# Altium PCB Motor_Driver_3_Phase.PcbDoc (part 2 of 3)
Units mm, origin at the board's own origin, x right, y up, seen from the top; angles counter-clockwise.
Board outline 164.5 x 248.75 mm, 4 copper layers (Top Layer, mid1, mid2, Bottom Layer), stack 0.604 mm thick; 448 components, 306 nets, 1071 pads, 1519 vias.
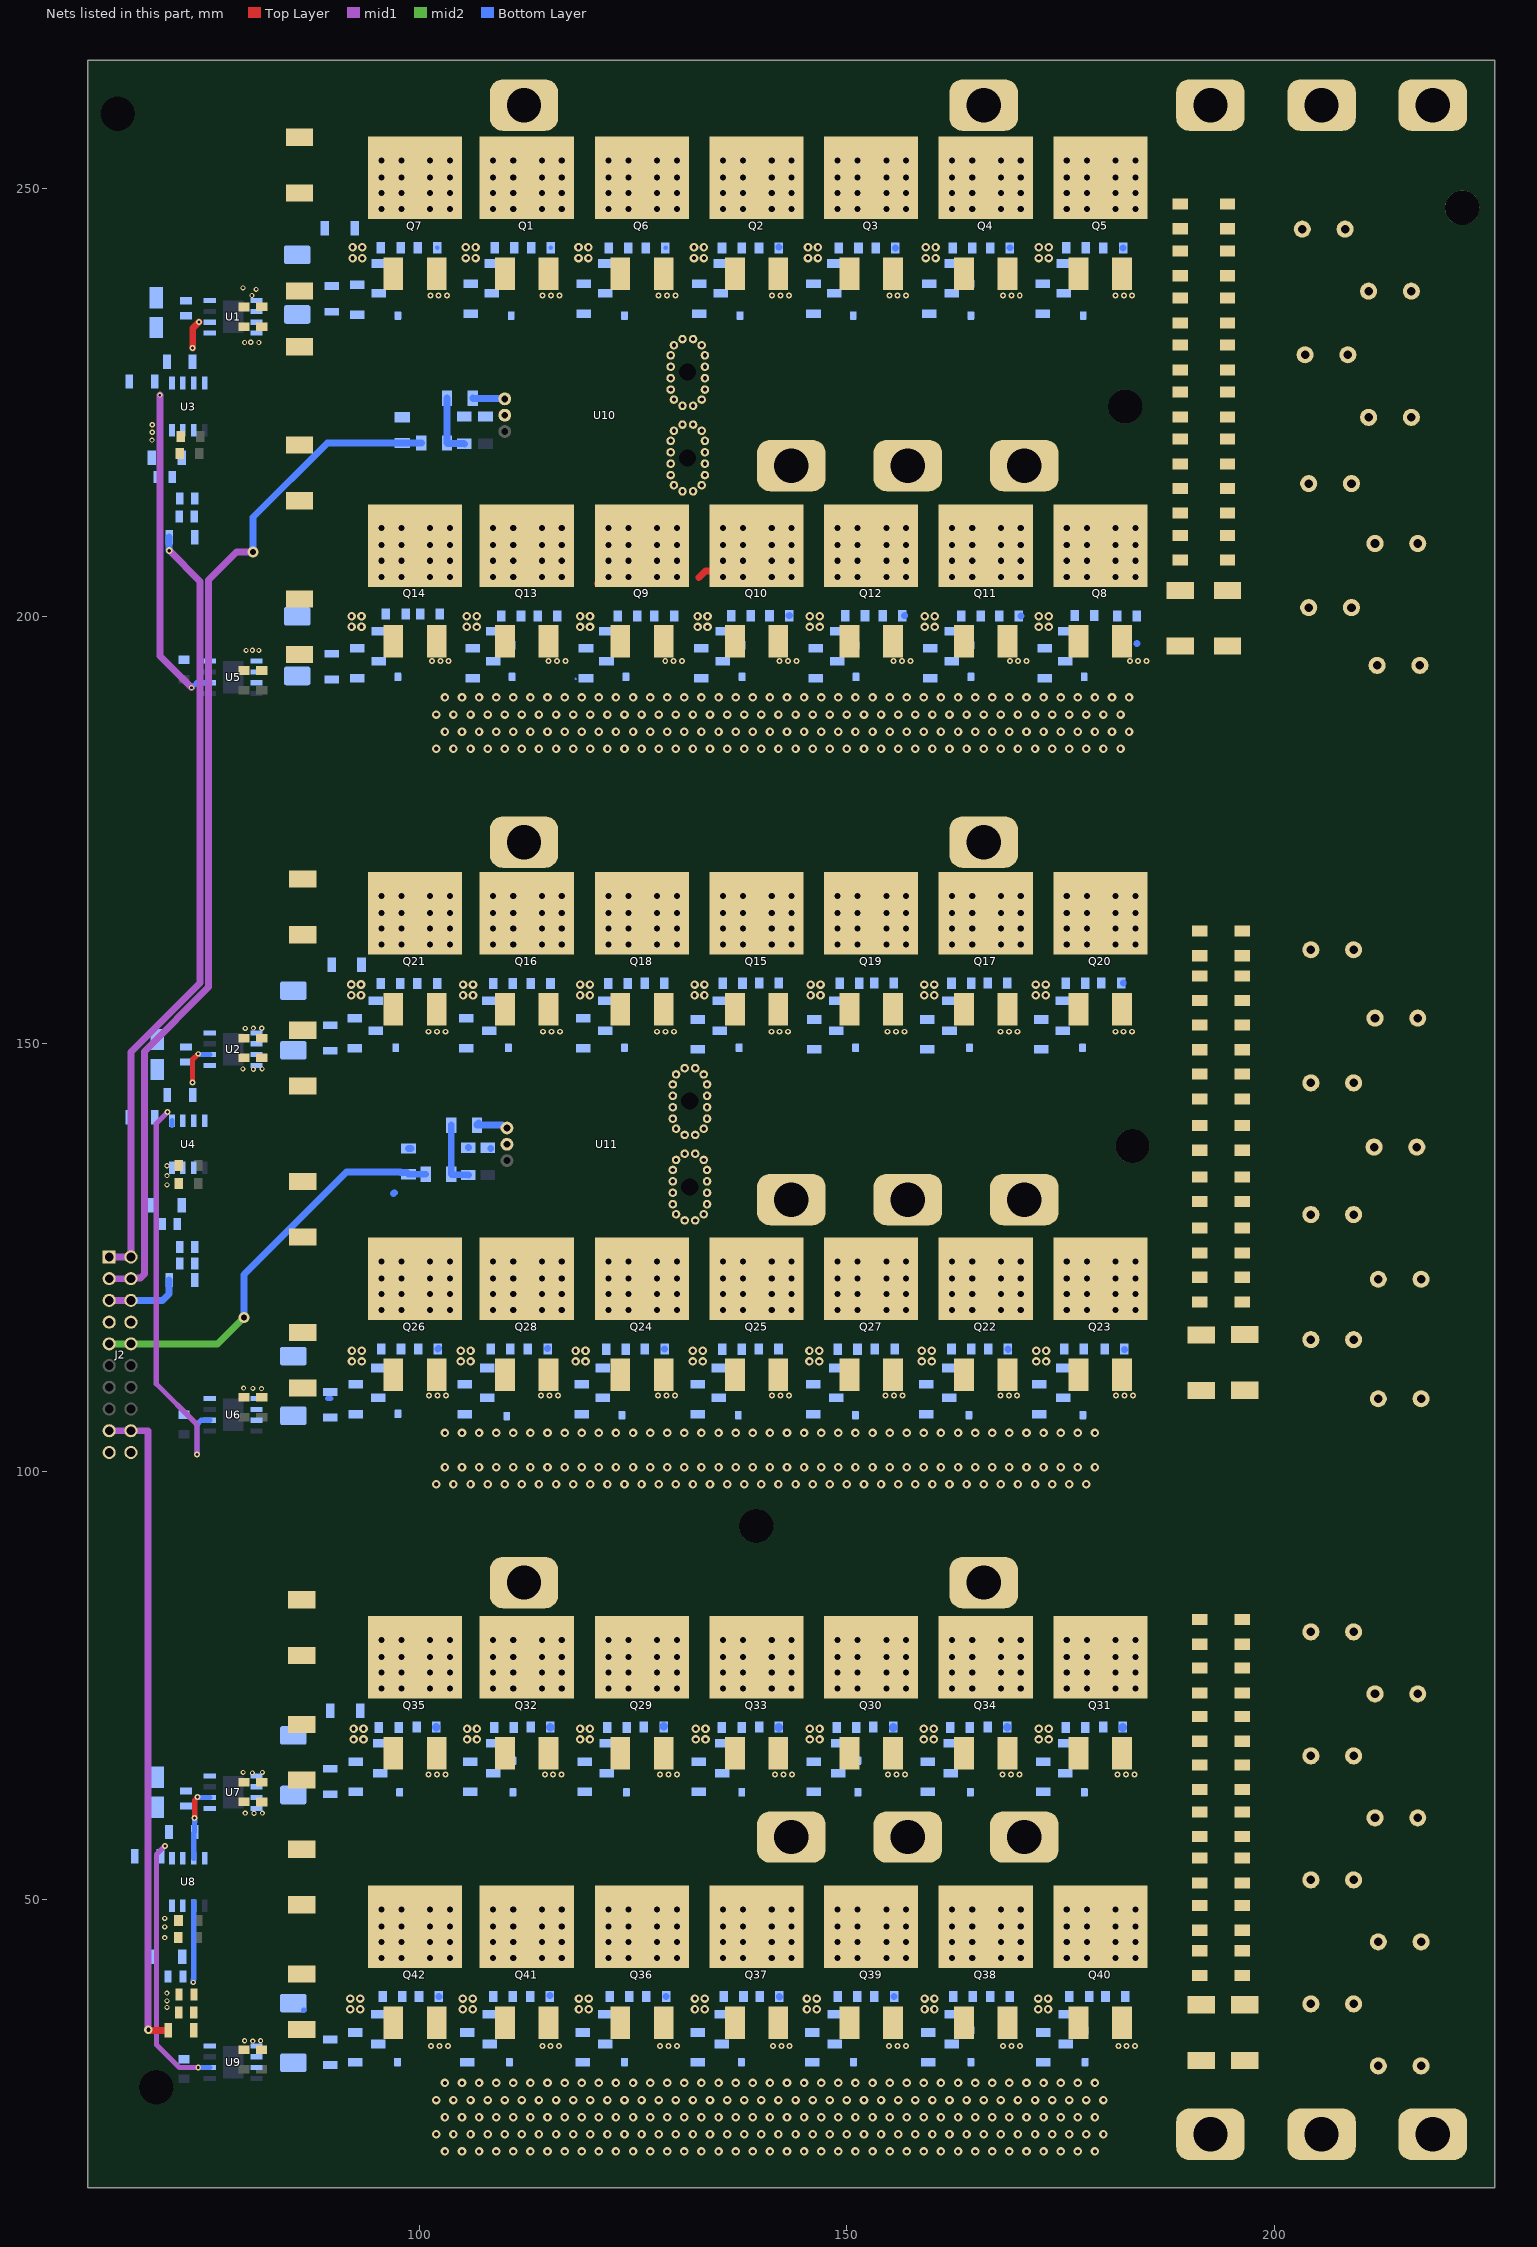
[diagram p4: the nets of this part, all layers, seen from the top]

## Via types
v1: diameter 1.27, hole 0.711, Top Layer to Bottom Layer, 682 vias
v2: diameter 1, hole 0.5, Top Layer to Bottom Layer, 506 vias
v3: diameter 1/1/1/1 (per signal layer), hole 0.5, Top Layer to Bottom Layer, 140 vias
v4: diameter 0.7/0.7/0.7/0.7 (per signal layer), hole 0.35, Top Layer to Bottom Layer, 114 vias
v5: diameter 0.6, hole 0.3, Top Layer to Bottom Layer, 54 vias
v6: diameter 0.7, hole 0.35, Top Layer to Bottom Layer, 21 vias
v7: diameter 0.8, hole 0.4, Top Layer to Bottom Layer, 1 vias
v8: diameter 1/0.7/0.7/0.7 (per signal layer), hole 0.5, Top Layer to Bottom Layer, 1 vias

## Nets (pads, with @x,y where several pads share a name; then routed paths per layer and width w, separated by ;. In a path a pad name is that pad's centre, name@x,y a point inside that pad or via, vN(x,y) a via of type N, cw(c..) or ccw(c..) an arc to the next point about the centre after c; other vN are vias at no path point) (continued)
+48V: C1.2 C2.2 C18.2 C19.2 C31.1 C32.1 C35.2 C36.2 C40.1 C41.1 C48.1 C49.1 C52.1 C53.1 C54.1 C55.1 C56.1 C57.1 C58.1 C59.1 C60.1 C61.1 C62.1 C63.1 C64.1 C65.1 C66.1 C67.1 C68.1 C69.1 Q1.3 Q2.3 Q3.3 Q4.3 Q5.3 Q6.3 Q7.3 Q15.3 Q16.3 Q17.3 Q18.3 Q19.3 Q20.3 Q21.3 Q29.3 Q30.3 Q31.3 Q32.3 Q33.3 Q34.3 Q35.3 R114.2 R118.2 R122.2 T10.1 T11.1 T12.1 T16.1 T17.1 T18.1 T19.1 T20.1 T21.1
  other v1: 95.575,74.6 97.925,74.6 101.275,74.6 103.6,74.6 108.643,74.6 110.993,74.6 114.343,74.6 116.668,74.6 122.119,74.6 124.469,74.6 127.819,74.6 130.144,74.6 135.515,74.6 137.865,74.6 141.215,74.6 143.54,74.6 148.912,74.6 151.262,74.6 154.612,74.6 156.937,74.6 162.309,74.6 164.659,74.6 168.009,74.6 170.334,74.6 175.706,74.6 178.056,74.6 181.406,74.6 183.731,74.6 95.575,76.475 97.925,76.475 101.275,76.475 103.6,76.475 108.643,76.475 110.993,76.475 114.343,76.475 116.668,76.475 122.119,76.475 124.469,76.475 127.819,76.475 130.144,76.475 135.515,76.475 137.865,76.475 141.215,76.475 143.54,76.475 148.912,76.475 151.262,76.475 154.612,76.475 156.937,76.475 162.309,76.475 164.659,76.475 168.009,76.475 170.334,76.475 175.706,76.475 178.056,76.475 181.406,76.475 183.731,76.475 95.575,78.3 97.925,78.3 101.275,78.3 103.6,78.3 108.643,78.3 110.993,78.3 114.343,78.3 116.668,78.3 122.119,78.3 124.469,78.3 127.819,78.3 130.144,78.3 135.515,78.3 137.865,78.3 141.215,78.3 143.54,78.3 148.912,78.3 151.262,78.3 154.612,78.3 156.937,78.3 162.309,78.3 164.659,78.3 168.009,78.3 170.334,78.3 175.706,78.3 178.056,78.3 181.406,78.3 183.731,78.3 95.575,80.3 97.925,80.3 101.275,80.3 103.6,80.3 108.643,80.3 110.993,80.3 114.343,80.3 116.668,80.3 122.119,80.3 124.469,80.3 127.819,80.3 130.144,80.3 135.515,80.3 137.865,80.3 141.215,80.3 143.54,80.3 148.912,80.3 151.262,80.3 154.612,80.3 156.937,80.3 162.309,80.3 164.659,80.3 168.009,80.3 170.334,80.3 175.706,80.3 178.056,80.3 181.406,80.3 183.731,80.3 95.575,161.6 97.925,161.6 101.275,161.6 103.6,161.6 108.643,161.6 110.993,161.6 114.343,161.6 116.668,161.6 122.119,161.6 124.469,161.6 127.819,161.6 130.144,161.6 135.515,161.6 137.865,161.6 141.215,161.6 143.54,161.6 148.912,161.6 151.262,161.6 154.612,161.6 156.937,161.6 162.309,161.6 164.659,161.6 168.009,161.6 170.334,161.6 175.706,161.6 178.056,161.6 181.406,161.6 183.731,161.6 95.575,163.475 97.925,163.475 101.275,163.475 103.6,163.475 108.643,163.475 110.993,163.475 114.343,163.475 116.668,163.475 122.119,163.475 124.469,163.475 127.819,163.475 130.144,163.475 135.515,163.475 137.865,163.475 141.215,163.475 143.54,163.475 148.912,163.475 151.262,163.475 154.612,163.475 156.937,163.475 162.309,163.475 164.659,163.475 168.009,163.475 170.334,163.475 175.706,163.475 178.056,163.475 181.406,163.475 183.731,163.475 95.575,165.3 97.925,165.3 101.275,165.3 103.6,165.3 108.643,165.3 110.993,165.3 114.343,165.3 116.668,165.3 122.119,165.3 124.469,165.3 127.819,165.3 130.144,165.3 135.515,165.3 137.865,165.3 141.215,165.3 143.54,165.3 148.912,165.3 151.262,165.3 154.612,165.3 156.937,165.3 162.309,165.3 164.659,165.3 168.009,165.3 170.334,165.3 175.706,165.3 178.056,165.3 181.406,165.3 183.731,165.3 95.575,167.3 97.925,167.3 101.275,167.3 103.6,167.3 108.643,167.3 110.993,167.3 114.343,167.3 116.668,167.3 122.119,167.3 124.469,167.3 127.819,167.3 130.144,167.3 135.515,167.3 137.865,167.3 141.215,167.3 143.54,167.3 148.912,167.3 151.262,167.3 154.612,167.3 156.937,167.3 162.309,167.3 164.659,167.3 168.009,167.3 170.334,167.3 175.706,167.3 178.056,167.3 181.406,167.3 183.731,167.3 95.575,247.6 97.925,247.6 101.275,247.6 103.6,247.6 108.643,247.6 110.993,247.6 114.343,247.6 116.668,247.6 122.119,247.6 124.469,247.6 127.819,247.6 130.144,247.6 135.515,247.6 137.865,247.6 141.215,247.6 143.54,247.6 148.912,247.6 151.262,247.6 154.612,247.6 156.937,247.6 162.309,247.6 164.659,247.6 168.009,247.6 170.334,247.6 175.706,247.6 178.056,247.6 181.406,247.6 183.731,247.6 95.575,249.475 97.925,249.475 101.275,249.475 103.6,249.475 108.643,249.475 110.993,249.475 114.343,249.475 116.668,249.475 122.119,249.475 124.469,249.475 127.819,249.475 130.144,249.475 135.515,249.475 137.865,249.475 141.215,249.475 143.54,249.475 148.912,249.475 151.262,249.475 154.612,249.475 156.937,249.475 162.309,249.475 164.659,249.475 168.009,249.475 170.334,249.475 175.706,249.475 178.056,249.475 181.406,249.475 183.731,249.475 95.575,251.3 97.925,251.3 101.275,251.3 103.6,251.3 108.643,251.3 110.993,251.3 114.343,251.3 116.668,251.3 122.119,251.3 124.469,251.3 127.819,251.3 130.144,251.3 135.515,251.3 137.865,251.3 141.215,251.3 143.54,251.3 148.912,251.3 151.262,251.3 154.612,251.3 156.937,251.3 162.309,251.3 164.659,251.3 168.009,251.3 170.334,251.3 175.706,251.3 178.056,251.3 181.406,251.3 183.731,251.3 95.575,253.3 97.925,253.3 101.275,253.3 103.6,253.3 108.643,253.3 110.993,253.3 114.343,253.3 116.668,253.3 122.119,253.3 124.469,253.3 127.819,253.3 130.144,253.3 135.515,253.3 137.865,253.3 141.215,253.3 143.54,253.3 148.912,253.3 151.262,253.3 154.612,253.3 156.937,253.3 162.309,253.3 164.659,253.3 168.009,253.3 170.334,253.3 175.706,253.3 178.056,253.3 181.406,253.3 183.731,253.3
A: C72.1 C73.1 C74.1 C93.1 C94.1 C95.1 C96.1 pad.1@131.373,228.546 Q1.2 Q2.2 Q3.2 Q4.2 Q5.2 Q6.2 Q7.2 R133.2 U10.4 | length 0.2
  Bottom Layer w0.5: C72.1@102.122,243.109 C72.1@102.138,243.093 ; C73.1@115.372,243.08 C73.1@115.373,243.081 ; C74.1@128.786,243.055 C74.1@128.812,243.081
  Bottom Layer w0.8: C93.1@142.026,243.162 C93.1@142.06,243.128 ; C94.1@155.651,243.055 C94.1@155.668,243.037 ; C95.1@169.053,243.08 C95.1@169.056,243.083 ; C96.1@182.289,243.055 C96.1@182.31,243.075
  other v4: 101.298,237.499 102.28,237.499 103.262,237.499 114.426,237.499 115.408,237.499 116.389,237.499 128.002,237.499 128.984,237.499 129.966,237.499 141.251,237.499 142.233,237.499 143.215,237.499 154.967,237.499 155.948,237.499 156.93,237.499 168.25,237.499 169.232,237.499 170.214,237.499 181.401,237.499 182.383,237.499 183.365,237.499
A1: pad.1@131.372,218.493 Q8.3 Q9.3 Q10.3 Q11.3 Q12.3 Q13.3 Q14.3 T1.1 T2.1 T3.1 U10.5 | length 3.1
  Top Layer w0.8: Q9.3@120.829,203.829 121.344,203.829 v1(122.119,204.604) ; 132.69,204.525 133.465,205.3 133.865,205.3
  other v1: 95.575,204.604 97.925,204.604 101.275,204.604 103.6,204.604 108.643,204.604 110.993,204.604 114.343,204.604 116.668,204.604 124.469,204.604 127.819,204.604 130.144,204.604 135.515,204.604 137.865,204.604 141.215,204.604 143.54,204.604 148.912,204.604 151.262,204.604 154.612,204.604 156.937,204.604 162.309,204.604 164.659,204.604 168.009,204.604 170.334,204.604 175.706,204.604 178.056,204.604 181.406,204.604 183.731,204.604 95.575,206.479 97.925,206.479 101.275,206.479 103.6,206.479 108.643,206.479 110.993,206.479 114.343,206.479 116.668,206.479 122.119,206.479 124.469,206.479 127.819,206.479 130.144,206.479 135.515,206.479 137.865,206.479 141.215,206.479 143.54,206.479 148.912,206.479 151.262,206.479 154.612,206.479 156.937,206.479 162.309,206.479 164.659,206.479 168.009,206.479 170.334,206.479 175.706,206.479 178.056,206.479 181.406,206.479 183.731,206.479 95.575,208.304 97.925,208.304 101.275,208.304 103.6,208.304 108.643,208.304 110.993,208.304 114.343,208.304 116.668,208.304 122.119,208.304 124.469,208.304 127.819,208.304 130.144,208.304 135.515,208.304 137.865,208.304 141.215,208.304 143.54,208.304 148.912,208.304 151.262,208.304 154.612,208.304 156.937,208.304 162.309,208.304 164.659,208.304 168.009,208.304 170.334,208.304 175.706,208.304 178.056,208.304 181.406,208.304 183.731,208.304 95.575,210.304 97.925,210.304 101.275,210.304 103.6,210.304 108.643,210.304 110.993,210.304 114.343,210.304 116.668,210.304 122.119,210.304 124.469,210.304 127.819,210.304 130.144,210.304 135.515,210.304 137.865,210.304 141.215,210.304 143.54,210.304 148.912,210.304 151.262,210.304 154.612,210.304 156.937,210.304 162.309,210.304 164.659,210.304 168.009,210.304 170.334,210.304 175.706,210.304 178.056,210.304 181.406,210.304 183.731,210.304
ADC_A0: J2.03 J2.04 R126.2 R127.1 | length 122.5
  mid1 w0.8: J2.03@63.75,122.54 J2.04@66.29,122.54 66.362,122.612 67.397,122.612 67.866,123.08 67.866,149.116 75.374,156.624 75.374,204.25 78.615,207.491 v1(80.567,207.491)
  Bottom Layer w0.8: v1(80.567,207.491) 80.567,211.567 89.25,220.25 R127.1@98,220.25 R126.2@100.25,220.25
ADC_A1: J2.09 J2.10 R128.2 R129.1 | length 48.3
  mid2 w0.8: J2.09@63.75,114.92 76.42,114.92 v1(79.5,118)
  Bottom Layer w0.8: v1(79.5,118) 79.5,123 91.5,135 97.781,135 97.831,134.95 98.55,134.95 R129.1@98.75,134.75 R128.2@100.75,134.75
ADC_A2: 
ADC_A3: 
ADC_A4: 
ADC_A5: 
ADC_A6: 
ADC_A7: 
ADC_B0: 
ADC_B1: 
ADC_B2: 
ADC_B3: 
ADC_B4: 
ADC_B5: 
ADC_B6: 
ADC_B7: 
B1: pad.1@131.63,133.252 Q22.3 Q23.3 Q24.3 Q25.3 Q26.3 Q27.3 Q28.3 T4.1 T5.1 T6.1 U11.5 | length 6.1
  Top Layer w0.8: Q23.3@177.75,125.004 Q23.3@181.5,121.254
  Top Layer w1: Q24.3@121.719,118.854 v1(122.119,118.854) ; Q25.3@135.115,118.854 v1(135.515,118.854)
  other v1: 95.575,118.854 97.925,118.854 101.275,118.854 103.6,118.854 108.643,118.854 110.993,118.854 114.343,118.854 116.668,118.854 124.469,118.854 127.819,118.854 130.144,118.854 137.865,118.854 141.215,118.854 143.54,118.854 148.912,118.854 151.262,118.854 154.612,118.854 156.937,118.854 162.309,118.854 164.659,118.854 168.009,118.854 170.334,118.854 175.706,118.854 178.056,118.854 181.406,118.854 183.731,118.854 95.575,120.729 97.925,120.729 101.275,120.729 103.6,120.729 108.643,120.729 110.993,120.729 114.343,120.729 116.668,120.729 122.119,120.729 124.469,120.729 127.819,120.729 130.144,120.729 135.515,120.729 137.865,120.729 141.215,120.729 143.54,120.729 148.912,120.729 151.262,120.729 154.612,120.729 156.937,120.729 162.309,120.729 164.659,120.729 168.009,120.729 170.334,120.729 175.706,120.729 178.056,120.729 181.406,120.729 183.731,120.729 95.575,122.554 97.925,122.554 101.275,122.554 103.6,122.554 108.643,122.554 110.993,122.554 114.343,122.554 116.668,122.554 122.119,122.554 124.469,122.554 127.819,122.554 130.144,122.554 135.515,122.554 137.865,122.554 141.215,122.554 143.54,122.554 148.912,122.554 151.262,122.554 154.612,122.554 156.937,122.554 162.309,122.554 164.659,122.554 168.009,122.554 170.334,122.554 175.706,122.554 178.056,122.554 181.406,122.554 183.731,122.554 95.575,124.554 97.925,124.554 101.275,124.554 103.6,124.554 108.643,124.554 110.993,124.554 114.343,124.554 116.668,124.554 122.119,124.554 124.469,124.554 127.819,124.554 130.144,124.554 135.515,124.554 137.865,124.554 141.215,124.554 143.54,124.554 148.912,124.554 151.262,124.554 154.612,124.554 156.937,124.554 162.309,124.554 164.659,124.554 168.009,124.554 170.334,124.554 175.706,124.554 178.056,124.554 181.406,124.554 183.731,124.554
CANH: 
CANL: 
EQEP1B: C104.1 C105.1 C106.1 C107.1 C108.1 C109.1 C110.1 pad.1@131.628,143.292 Q15.2 Q16.2 Q17.2 Q18.2 Q19.2 Q20.2 Q21.2 R134.2 U11.4 | length 0
  Bottom Layer w0.8: C109.1@182.307,157.082 C109.1@182.317,157.092
  other v4: 101.11,151.412 102.092,151.412 103.074,151.412 114.467,151.412 115.449,151.412 116.431,151.412 127.809,151.412 128.791,151.412 129.772,151.412 141.166,151.412 142.147,151.412 143.129,151.412 154.771,151.412 155.753,151.412 156.735,151.412 167.961,151.412 168.942,151.412 169.924,151.412 181.391,151.412 182.373,151.412 183.354,151.412
EQEP1I: 
GND: C31.2 C32.2 C40.2 C41.2 C48.2 C49.2 C52.2 C53.2 C54.2 C55.2 C56.2 C57.2 C58.2 C59.2 C60.2 C61.2 C62.2 C63.2 C64.2 C65.2 C66.2 C67.2 C68.2 C69.2 C70.1 C71.1 C89.1 C90.1 C97.1 C98.1 C99.1 C100.1 C101.1 C102.1 C103.1 C111.1 C112.1 C113.1 C114.1 C115.1 C116.1 C117.1 C125.1 C126.1 C127.1 C128.1 C129.1 C130.1 C131.1 C134.1 C135.1 C136.2 C137.2 C139.1 C140.2 C141.2 C142.2 C151.1 C152.1 C153.2 C154.2 C155.1 C156.1 C157.2 C158.2 C161.1 C162.1 C163.2 C164.1 C165.2 D51.1 D53.1 D55.1 J2.07 J2.08 J2.19 J2.20 pad.2@221.946,247.764 Q8.2 Q9.2 Q10.2 Q11.2 Q12.2 Q13.2 Q14.2 Q22.2 Q23.2 Q24.2 Q25.2 Q26.2 Q27.2 Q28.2 Q36.2 Q37.2 Q38.2 Q39.2 Q40.2 Q41.2 Q42.2 R22.1 R30.1 R31.1 R53.1 R61.1 R62.1 R84.1 R92.1 R93.1 R110.1 R111.1 R113.1 R117.1 R121.1 R125.1 R127.2 R129.2 R147.1 R148.1 R149.1 R150.1 R153.1 R154.1 T13.1 T14.1 T15.1 U3.4 U4.4 U5.4 U5.5 U6.4 U6.5 U8.4 U9.4 U9.5 U10.2 U11.2 | length 2.1
  Top Layer w0.8: Q14.2@102.04,197.054 Q14.2@102.344,196.75 ; Q12.2@155.377,197.054 Q12.2@155.432,197 ; Q11.2@168.774,197.054 Q11.2@168.828,197
  Bottom Layer w0.6: D55.1@86.5,37 D55.1@86.545,37.045 ; 89.276,108.525 89.701,108.525
  Bottom Layer w0.8: 97,132.5 97.09,132.59 ; R129.2@98.75,137.75 R129.2@99.05,137.75 ; C115.1@102.17,114.314 C115.1@102.257,114.401 ; C129.1@102.275,38.602 C129.1@102.292,38.586 ; C71.1@105.735,137.865 C71.1@105.75,137.85 C71.1@105.763,137.863 ; C142.2@108.357,137.761 C142.2@108.369,137.773 ; U11.2@110.235,138.235 U11.2@110.25,138.25 ; C116.1@115.009,114.389 C116.1@115.026,114.406 ; C130.1@115.258,38.705 C130.1@115.273,38.72 ; C125.1@128.866,38.627 C125.1@128.88,38.641 ; C126.1@142.098,38.602 C126.1@142.132,38.568 ; C98.1@143.253,200.057 C98.1@143.276,200.08 ; C131.1@155.517,38.627 C131.1@155.52,38.624 ; C103.1@156.75,200.057 C103.1@156.773,200.08 ; C113.1@168.829,114.314 C113.1@168.874,114.269 ; C99.1@170.346,200.02 C99.1@170.358,200.032 ; C114.1@182.443,114.266 C114.1@182.488,114.221 ; 183.891,196.782 183.914,196.805
  other v2: 103,20.5 105,20.5 107,20.5 109,20.5 111,20.5 113,20.5 115,20.5 117,20.5 119,20.5 121,20.5 123,20.5 125,20.5 127,20.5 129,20.5 131,20.5 133,20.5 135,20.5 137,20.5 139,20.5 141,20.5 143,20.5 145,20.5 147,20.5 149,20.5 151,20.5 153,20.5 155,20.5 157,20.5 159,20.5 161,20.5 163,20.5 165,20.5 167,20.5 169,20.5 171,20.5 173,20.5 175,20.5 177,20.5 179,20.5 102,22.5 104,22.5 106,22.5 108,22.5 110,22.5 112,22.5 114,22.5 116,22.5 118,22.5 120,22.5 122,22.5 124,22.5 126,22.5 128,22.5 130,22.5 132,22.5 134,22.5 136,22.5 138,22.5 140,22.5 142,22.5 144,22.5 146,22.5 148,22.5 150,22.5 152,22.5 154,22.5 156,22.5 158,22.5 160,22.5 162,22.5 164,22.5 166,22.5 168,22.5 170,22.5 172,22.5 174,22.5 176,22.5 178,22.5 180,22.5 103,24.5 105,24.5 107,24.5 109,24.5 111,24.5 113,24.5 115,24.5 117,24.5 119,24.5 121,24.5 123,24.5 125,24.5 127,24.5 129,24.5 131,24.5 133,24.5 135,24.5 137,24.5 139,24.5 141,24.5 143,24.5 145,24.5 147,24.5 149,24.5 151,24.5 153,24.5 155,24.5 157,24.5 159,24.5 161,24.5 163,24.5 165,24.5 167,24.5 169,24.5 171,24.5 173,24.5 175,24.5 177,24.5 179,24.5 102,26.5 104,26.5 106,26.5 108,26.5 110,26.5 112,26.5 114,26.5 116,26.5 118,26.5 120,26.5 122,26.5 124,26.5 126,26.5 128,26.5 130,26.5 132,26.5 134,26.5 136,26.5 138,26.5 140,26.5 142,26.5 144,26.5 146,26.5 148,26.5 150,26.5 152,26.5 154,26.5 156,26.5 158,26.5 160,26.5 162,26.5 164,26.5 166,26.5 168,26.5 170,26.5 172,26.5 174,26.5 176,26.5 178,26.5 180,26.5 103,28.5 105,28.5 107,28.5 109,28.5 111,28.5 113,28.5 115,28.5 117,28.5 119,28.5 121,28.5 123,28.5 125,28.5 127,28.5 129,28.5 131,28.5 133,28.5 135,28.5 137,28.5 139,28.5 141,28.5 143,28.5 145,28.5 147,28.5 149,28.5 151,28.5 153,28.5 155,28.5 157,28.5 159,28.5 161,28.5 163,28.5 165,28.5 167,28.5 169,28.5 171,28.5 173,28.5 175,28.5 177,28.5 179,28.5 102,98.5 104,98.5 106,98.5 108,98.5 110,98.5 112,98.5 114,98.5 116,98.5 118,98.5 120,98.5 122,98.5 124,98.5 126,98.5 128,98.5 130,98.5 132,98.5 134,98.5 136,98.5 138,98.5 140,98.5 142,98.5 144,98.5 146,98.5 148,98.5 150,98.5 152,98.5 154,98.5 156,98.5 158,98.5 160,98.5 162,98.5 164,98.5 166,98.5 168,98.5 170,98.5 172,98.5 174,98.5 176,98.5 178,98.5 103,100.5 105,100.5 107,100.5 109,100.5 111,100.5 113,100.5 115,100.5 117,100.5 119,100.5 121,100.5 123,100.5 125,100.5 127,100.5 129,100.5 131,100.5 133,100.5 135,100.5 137,100.5 139,100.5 141,100.5 143,100.5 145,100.5 147,100.5 149,100.5 151,100.5 153,100.5 155,100.5 157,100.5 159,100.5 161,100.5 163,100.5 165,100.5 167,100.5 169,100.5 171,100.5 173,100.5 175,100.5 177,100.5 179,100.5 103,104.5 105,104.5 107,104.5 109,104.5 111,104.5 113,104.5 115,104.5 117,104.5 119,104.5 121,104.5 123,104.5 125,104.5 127,104.5 129,104.5 131,104.5 133,104.5 135,104.5 137,104.5 139,104.5 141,104.5 143,104.5 145,104.5 147,104.5 149,104.5 151,104.5 153,104.5 155,104.5 157,104.5 159,104.5 161,104.5 163,104.5 165,104.5 167,104.5 169,104.5 171,104.5 173,104.5 175,104.5 177,104.5 179,104.5 102,184.5 104,184.5 106,184.5 108,184.5 110,184.5 112,184.5 114,184.5 116,184.5 118,184.5 120,184.5 122,184.5 124,184.5 126,184.5 128,184.5 130,184.5 132,184.5 134,184.5 136,184.5 138,184.5 140,184.5 142,184.5 144,184.5 146,184.5 148,184.5 150,184.5 152,184.5 154,184.5 156,184.5 158,184.5 160,184.5 162,184.5 164,184.5 166,184.5 168,184.5 170,184.5 172,184.5 174,184.5 176,184.5 178,184.5 180,184.5 182,184.5 103,186.5 105,186.5 107,186.5 109,186.5 111,186.5 113,186.5 115,186.5 117,186.5 119,186.5 121,186.5 123,186.5 125,186.5 127,186.5 129,186.5 131,186.5 133,186.5 135,186.5 137,186.5 139,186.5 141,186.5 143,186.5 145,186.5 147,186.5 149,186.5 151,186.5 153,186.5 155,186.5 157,186.5 159,186.5 161,186.5 163,186.5 165,186.5 167,186.5 169,186.5 171,186.5 173,186.5 175,186.5 177,186.5 179,186.5 181,186.5 183,186.5 102,188.5 104,188.5 106,188.5 108,188.5 110,188.5 112,188.5 114,188.5 116,188.5 118,188.5 120,188.5 122,188.5 124,188.5 126,188.5 128,188.5 130,188.5 132,188.5 134,188.5 136,188.5 138,188.5 140,188.5 142,188.5 144,188.5 146,188.5 148,188.5 150,188.5 152,188.5 154,188.5 156,188.5 158,188.5 160,188.5 162,188.5 164,188.5 166,188.5 168,188.5 170,188.5 172,188.5 174,188.5 176,188.5 178,188.5 180,188.5 182,188.5 103,190.5 105,190.5 107,190.5 109,190.5 111,190.5 113,190.5 115,190.5 117,190.5 119,190.5 121,190.5 123,190.5 125,190.5 127,190.5 129,190.5 131,190.5 133,190.5 135,190.5 137,190.5 139,190.5 141,190.5 143,190.5 145,190.5 147,190.5 149,190.5 151,190.5 153,190.5 155,190.5 157,190.5 159,190.5 161,190.5 163,190.5 165,190.5 167,190.5 169,190.5 171,190.5 173,190.5 175,190.5 177,190.5 179,190.5 181,190.5 183,190.5
  other v4: 101.374,32.837 102.356,32.837 103.338,32.837 114.386,32.837 115.368,32.837 116.35,32.837 128.147,32.837 129.129,32.837 130.111,32.837 141.35,32.837 142.332,32.837 143.314,32.837 154.923,32.837 155.904,32.837 156.886,32.837 168.251,32.837 169.233,32.837 170.215,32.837 181.739,32.837 182.721,32.837 183.703,32.837 101.168,108.888 102.15,108.888 103.132,108.888 114.257,108.888 115.239,108.888 116.221,108.888 127.92,108.888 128.902,108.888 129.883,108.888 141.261,108.888 142.243,108.888 143.225,108.888 154.514,108.888 155.496,108.888 156.478,108.888 167.951,108.888 168.933,108.888 169.915,108.888 181.495,108.888 182.476,108.888 183.458,108.888
  other v5: 80.538,33.397 81.454,33.439 79.585,33.443 70.506,37.335 70.506,38.102 70.5,39 70.25,45.5 70.25,46.75 70.25,47.75 81.555,109.688 80.543,109.707 79.46,109.738 70.51,133.5 70.51,134.59 70.51,135.75 79.75,196 81.25,196 80.486,196.016 68.754,220.583 68.777,221.5 68.777,222.385
  other v6: 101.484,194.744 102.465,194.744 103.447,194.744 115.125,194.744 116.107,194.744 117.089,194.744 128.765,194.744 129.747,194.744 130.729,194.744 142.145,194.744 143.127,194.744 144.109,194.744 155.468,194.744 156.45,194.744 157.431,194.744 169.049,194.744 170.031,194.744 171.013,194.744 183.082,194.744 184.063,194.744 185.045,194.744
GPIO_00: J2.01 J2.02 R146.2 | length 91.5
  mid1 w0.8: J2.01@63.75,125.08 J2.02@66.29,125.08 66.29,149.04 74.374,157.124 74.374,204.052 v7@70.773,207.652
  Bottom Layer w0.8: R146.2@70.755,209.25 70.755,207.682 v7(70.775,207.663)
GPIO_01: 
GPIO_02: J2.05 J2.06 R143.2 | length 9
  mid1 w0.8: J2.05@63.75,120 J2.06@66.29,120
  Bottom Layer w0.8: J2.06@66.29,120 70,120 70.755,120.755 R143.2@70.755,122.39
GPIO_03: 
GPIO_04: J2.17 J2.18 R151.2 | length 76.9
  Top Layer w0.8: v8(68.34,34.707) 68.396,34.651 R151.2@70.632,34.651
  mid1 w0.8: J2.17@63.75,104.76 J2.18@66.29,104.76 68.295,104.76 68.295,34.752 v8(68.34,34.707)
GPIO_05: 
GPIO_06: 
GPIO_07: 
GPIO_08: 
GPIO_09: 
GPIO_10: 
GPIO_11: 
GPIO_12: 
GPIO_13: 
GPIO_14: 
GPIO_15: 
GPIO_16: 
GPIO_17: 
GPIO_18: 
GPIO_19: 
GPIO_20: 
GPIO_21: 
GPIO_22: 
GPIO_23: 
GPIO_24: 
GPIO_25: 
GPIO_26: 
GPIO_27: 
GPIO_30: 
GPIO_31: 
GPIO_32: 
GPIO_33: 
GPIO_34: 
GPIO_40: 
GPIO_41: 
GPIO_42: 
GPIO_43: 
GPIO_44: 
GPIO_50: 
GPIO_51: 
GPIO_54: 
GPIO_55: 
GPIO_56: 
GPIO_57: 
GPIO_58: 
NetC1_1: C1.1 C3.2
NetC2_1: C2.1 C4.2
NetC3_1: C3.1 C6.2
NetC4_1: C4.1 C7.2
NetC6_1: C6.1 C10.2
NetC7_1: C7.1 C11.2
NetC8_1: C8.1 C14.2 C26.1 C132.2 U1.1 U1.8 U3.8
  other v5: 79.59,232 81.25,232 80.304,232.028
NetC8_2: C8.2 C14.1 C26.2 C132.1 D49.1 R96.1 R133.1 R144.1 U1.4 U1.5 U3.6
  other v5: 80.437,237.492 80.923,238.203 79.397,238.387
NetC9_1: C9.1 C15.2 C88.1 C133.2 U2.1 U2.8 U4.8
  other v5: 80.618,147.029 79.388,147.077 81.622,147.065
NetC9_2: C9.2 C15.1 C88.2 C133.1 D52.1 R97.1 R134.1 R145.1 U2.4 U2.5 U4.6
  other v5: 79.664,151.812 81.593,151.826 80.601,151.838
NetC10_1: C10.1 C12.2
NetC11_1: C11.1 C13.2
NetC12_1: C12.1 C16.2
NetC13_1: C13.1 C17.2
NetC16_1: C16.1 C75.2
NetC17_1: C17.1 C76.2
NetC18_1: C18.1 C20.2
NetC19_1: C19.1 C21.2
NetC20_1: C20.1 C24.2
NetC21_1: C21.1 C25.2
NetC23_1: C23.1 C138.2 C159.2 C160.1 U7.1 U7.8 U8.8
  other v5: 80.681,60.031 79.664,60.062 81.664,60.062
NetC23_2: C23.2 C138.1 C159.1 C160.2 D54.1 R112.1 R135.1 R152.1 U7.4 U7.5 U8.6
  other v5: 80.5,64.75 79.414,64.812 81.664,64.812
NetC24_1: C24.1 C27.2
NetC25_1: C25.1 C28.2
NetC27_1: C27.1 C29.2
NetC28_1: C28.1 C30.2
NetC29_1: C29.1 C33.2
NetC30_1: C30.1 C34.2
NetC33_1: C33.1 C79.2
NetC34_1: C34.1 C80.2
NetC35_1: C35.1 C37.2
NetC36_1: C36.1 C38.2
NetC37_1: C37.1 C42.2
NetC38_1: C38.1 C43.2
NetC42_1: C42.1 C44.2
NetC43_1: C43.1 C45.2
NetC44_1: C44.1 C46.2
NetC45_1: C45.1 C47.2
NetC46_1: C46.1 C50.2
NetC47_1: C47.1 C51.2
NetC50_1: C50.1 C83.2
NetC51_1: C51.1 C84.2
NetC70_2: C70.2 R94.2 R126.1 | length 7.3
  Bottom Layer w0.8: R94.2@103.25,225.5 R126.1@103.25,220.25 103.3,220.2 105.225,220.2 C70.2@105.275,220.15
NetC71_2: C71.2 R95.2 R128.1 | length 7.8
  Bottom Layer w0.8: R95.2@103.75,140.5 R128.1@103.75,134.75 103.8,134.7 105.7,134.7 C71.2@105.75,134.65
NetC72_2: C72.2 R14.1
NetC73_2: C73.2 R3.1
NetC74_2: C74.2 R5.1
NetC75_1: C75.1 C77.2
NetC76_1: C76.1 C78.2
NetC77_1: C77.1 R30.2
NetC78_1: C78.1 R31.2
NetC79_1: C79.1 C81.2
NetC80_1: C80.1 C82.2
NetC81_1: C81.1 R61.2
NetC82_1: C82.1 R62.2
NetC83_1: C83.1 C85.2
NetC84_1: C84.1 C86.2
NetC85_1: C85.1 R92.2
NetC86_1: C86.1 R93.2
NetC89_2: C89.2 R143.1 R147.2 U4.2
NetC90_2: C90.2 R146.1 R148.2 U3.2
NetC93_2: C93.2 R7.1
NetC94_2: C94.2 R9.1
NetC95_2: C95.2 R11.1
NetC96_2: C96.2 R13.1
NetC97_2: C97.2 R23.1
NetC98_2: C98.2 R24.1
NetC99_2: C99.2 R25.1
NetC100_2: C100.2 R26.1
NetC101_2: C101.2 R27.1
NetC102_2: C102.2 R28.1
NetC103_2: C103.2 R29.1
NetC104_2: C104.2 R34.1
NetC105_2: C105.2 R36.1
NetC106_2: C106.2 R38.1
NetC107_2: C107.2 R40.1
NetC108_2: C108.2 R42.1
NetC109_2: C109.2 R44.1
NetC110_2: C110.2 R45.1
NetC111_2: C111.2 R54.1
NetC112_2: C112.2 R55.1
NetC113_2: C113.2 R56.1
NetC114_2: C114.2 R57.1
NetC115_2: C115.2 R58.1
NetC116_2: C116.2 R59.1
NetC117_2: C117.2 R60.1
NetC118_2: C118.2 R65.1
NetC119_2: C119.2 R67.1
NetC120_2: C120.2 R69.1
NetC121_2: C121.2 R71.1
NetC122_2: C122.2 R73.1
NetC123_2: C123.2 R75.1
NetC124_2: C124.2 R76.1
NetC125_2: C125.2 R85.1
NetC126_2: C126.2 R86.1
NetC127_2: C127.2 R87.1
NetC128_2: C128.2 R88.1
NetC129_2: C129.2 R89.1
NetC130_2: C130.2 R90.1
NetC131_2: C131.2 R91.1
NetC143_1: 
NetC144_1: 
NetC146_P: 
NetC153_1: C153.1 R53.2 U4.3
NetC154_1: C154.1 R22.2 U3.3
NetC161_2: C161.2 R151.1 R153.2 U8.2 | length 9.5
  Bottom Layer w0.6: 73.635,40.623 U8.2@73.635,49.235 U8.2@73.635,49.735
  Bottom Layer w0.635: v5(73.57,40.267) 73.57,40.558 73.635,40.623
NetC163_1: C163.1 R84.2 U8.3
NetD1_1: D1.1 R161.1
NetD1_2: D1.2 D2.2 D3.2 D4.2 D5.2 D6.2 D7.2 D49.2 R1.1 R2.1 R4.1 R6.1 R8.1 R10.1 R12.1 R96.2 U1.6 U1.7
NetD2_1: D2.1 R155.1
NetD3_1: D3.1 R156.1
NetD4_1: D4.1 R157.1
NetD5_1: D5.1 R158.1
NetD6_1: D6.1 R159.1
NetD7_1: D7.1 R160.1
NetD8_1: D8.1 R164.1
NetD8_2: D8.2 D9.2 D10.2 D11.2 D12.2 D13.2 D14.2 D51.2 R15.1 R16.1 R17.1 R18.1 R19.1 R20.1 R21.1 R110.2 U5.6 U5.7 | length 0
  Bottom Layer w0.254: 118.285,192.677 118.312,192.651
NetD9_1: D9.1 R165.1
NetD10_1: D10.1 R168.1
NetD11_1: D11.1 R163.1
NetD12_1: D12.1 R162.1
NetD13_1: D13.1 R166.1
NetD14_1: D14.1 R167.1
NetD15_1: D15.1 R175.1
NetD15_2: D15.2 D16.2 D17.2 D18.2 D19.2 D20.2 D21.2 D52.2 R32.1 R33.1 R35.1 R37.1 R39.1 R41.1 R43.1 R97.2 U2.6 U2.7
NetD16_1: D16.1 R169.1
NetD17_1: D17.1 R170.1
NetD18_1: D18.1 R171.1
NetD19_1: D19.1 R172.1
NetD20_1: D20.1 R173.1
NetD21_1: D21.1 R174.1
NetD22_1: D22.1 R179.2
NetD22_2: D22.2 D23.2 D24.2 D25.2 D26.2 D27.2 D28.2 D53.2 R46.1 R47.1 R48.1 R49.1 R50.1 R51.1 R52.1 R111.2 U6.6 U6.7
NetD23_1: D23.1 R180.2
NetD24_1: D24.1 R182.2
NetD25_1: D25.1 R176.1
NetD26_1: D26.1 R181.2
NetD27_1: D27.1 R177.2
NetD28_1: D28.1 R178.2
NetD29_1: D29.1 R189.1
NetD29_2: D29.2 D30.2 D31.2 D32.2 D33.2 D34.2 D35.2 D54.2 R63.1 R64.1 R66.1 R68.1 R70.1 R72.1 R74.1 R112.2 U7.6 U7.7
NetD30_1: D30.1 R183.1
NetD31_1: D31.1 R184.1
NetD32_1: D32.1 R185.1
NetD33_1: D33.1 R186.1
NetD34_1: D34.1 R187.1
NetD35_1: D35.1 R188.1
NetD36_1: D36.1 R192.2
NetD36_2: D36.2 D37.2 D38.2 D39.2 D40.2 D41.2 D42.2 D55.2 R77.1 R78.1 R79.1 R80.1 R81.1 R82.1 R83.1 R113.2 U9.6 U9.7
NetD37_1: D37.1 R193.2
NetD38_1: D38.1 R196.2
NetD39_1: D39.1 R191.2
NetD40_1: D40.1 R190.2
NetD41_1: D41.1 R194.2
NetD42_1: D42.1 R195.2
NetD45_C: 
NetD46_1: 
NetLED1_2: 
NetQ1_1: Q1.1 R2.2 R3.2 R155.2
  other v3: 105.428,241.875 106.586,241.875 105.428,243.129 106.586,243.129
NetQ2_1: Q2.1 R6.2 R7.2 R157.2
  other v3: 132.128,241.875 133.286,241.875 132.128,243.129 133.286,243.129
NetQ3_1: Q3.1 R8.2 R9.2 R158.2
  other v3: 145.457,241.875 146.615,241.875 145.457,243.129 146.615,243.129
NetQ4_1: Q4.1 R10.2 R11.2 R159.2
  other v3: 159.216,241.875 160.373,241.875 159.216,243.129 160.373,243.129
NetQ5_1: Q5.1 R12.2 R13.2 R160.2
  other v3: 172.433,241.875 173.591,241.875 172.433,243.129 173.591,243.129
NetQ6_1: Q6.1 R4.2 R5.2 R156.2
  other v3: 118.62,241.875 119.778,241.875 118.62,243.129 119.778,243.129
NetQ7_1: Q7.1 R1.2 R14.2 R161.2 | length 1.4
  Top Layer w0.5: Q7.1@96.16,239.25 Q7.1@96.96,240.05
  Top Layer w0.8: Q7.1@96.76,240.25 Q7.1@96.96,240.05
  other v3: 92.206,241.865 93.349,241.865 92.208,243.129 93.349,243.129
NetQ8_1: Q8.1 R21.2 R26.2 R167.2
  other v2: 172.444,198.748 173.601,198.748 172.444,200.002 173.601,200.002
NetQ9_1: Q9.1 R18.2 R23.2 R164.2 | length 0.2
  Top Layer w0.8: Q9.1@123.331,197.227 Q9.1@123.504,197.054
  other v2: 118.808,198.748 119.966,198.748 118.808,200.002 119.966,200.002
NetQ10_1: Q10.1 R16.2 R24.2 R165.2
  other v2: 132.547,198.748 133.705,198.748 132.547,200.002 133.705,200.002
NetQ11_1: Q11.1 R20.2 R25.2 R166.2
  other v2: 159.111,198.748 160.269,198.748 159.111,200.002 160.269,200.002
NetQ12_1: Q12.1 R19.2 R29.2 R162.2
  other v2: 145.675,198.748 146.832,198.748 145.675,200.002 146.832,200.002
NetQ13_1: Q13.1 R17.2 R28.2 R163.2
  other v2: 105.552,198.751 106.71,198.748 105.552,200.005 106.71,200.002
NetQ14_1: Q14.1 R15.2 R27.2 R168.2
  other v2: 92.092,198.751 93.25,198.751 92.092,200.005 93.25,200.005
NetQ15_1: Q15.1 R37.2 R38.2 R171.2
  other v3: 132.19,155.682 133.348,155.682 132.19,156.93 133.348,156.93
NetQ16_1: Q16.1 R33.2 R34.2 R169.2
  other v3: 105.13,155.682 106.287,155.682 105.13,156.93 106.287,156.93
NetQ17_1: Q17.1 R41.2 R42.2 R173.2
  other v3: 159.054,155.682 160.212,155.682 159.054,156.93 160.212,156.93
NetQ18_1: Q18.1 R35.2 R36.2 R170.2
  other v3: 118.803,155.682 119.96,155.682 118.803,156.93 119.96,156.93
NetQ19_1: Q19.1 R39.2 R40.2 R172.2
  other v3: 145.757,155.682 146.915,155.682 145.757,156.93 146.915,156.93
NetQ20_1: Q20.1 R43.2 R44.2 R174.2
  other v3: 172.088,155.682 173.246,155.682 172.088,156.93 173.246,156.93
NetQ21_1: Q21.1 R32.2 R45.2 R175.2 | length 0.7
  Top Layer w0.254: Q21.1@96.66,153.75 Q21.1@96.96,154.05
  Top Layer w1: Q21.1@96.76,154.25 Q21.1@96.96,154.05
  other v3: 92.036,155.682 93.193,155.682 92.036,156.936 93.193,156.936
NetQ22_1: Q22.1 R51.2 R56.2 R177.1 | length 0.2
  Top Layer w1: Q22.1@163.35,111.415 Q22.1@163.46,111.304
  other v3: 158.77,112.869 159.928,112.869 158.77,114.123 159.928,114.123
NetQ23_1: Q23.1 R52.2 R57.2 R178.1 | length 0.1
  Top Layer w1: Q23.1@177.156,111.25 Q23.1@177.21,111.304
  other v3: 172.13,112.869 173.288,112.869 172.13,114.123 173.288,114.123
NetQ24_1: Q24.1 R47.2 R54.2 R179.1 | length 0.3
  Top Layer w1: Q24.1@123.308,111.5 Q24.1@123.504,111.304
  other v3: 118.283,112.869 119.441,112.869 118.283,114.123 119.441,114.123
NetQ25_1: Q25.1 R48.2 R55.2 R180.1 | length 0.3
  Top Layer w1: Q25.1@136.9,111.304 Q25.1@137.21,111.304
  other v3: 131.978,112.869 133.136,112.869 131.978,114.123 133.136,114.123
NetQ26_1: Q26.1 R46.2 R58.2 R182.1 | length 0.3
  Top Layer w1: Q26.1@96.764,111.5 Q26.1@96.96,111.304
  other v3: 92.134,112.869 93.292,112.869 92.134,114.123 93.292,114.123
NetQ27_1: Q27.1 R50.2 R60.2 R181.1 | length 0.1
  Top Layer w1: Q27.1@150.406,111.25 Q27.1@150.46,111.304
  other v3: 145.623,112.869 146.781,112.869 145.623,114.123 146.781,114.123
NetQ28_1: Q28.1 R49.2 R59.2 R176.2 | length 0.3
  Top Layer w1: Q28.1@109.832,111.5 Q28.1@110.028,111.304
  other v3: 104.845,112.869 106.003,112.869 104.845,114.123 106.003,114.123
NetQ29_1: Q29.1 R66.2 R67.2 R184.2 | length 0.3
  Top Layer w1: Q29.1@123.304,67.25 Q29.1@123.504,67.05
  other v3: 118.802,68.663 119.96,68.663 118.802,69.917 119.96,69.917
NetQ30_1: Q30.1 R70.2 R71.2 R186.2 | length 0.6
  Top Layer w1: Q30.1@149.847,67.5 Q30.1@150.297,67.05
  other v3: 145.646,68.663 146.803,68.663 145.646,69.917 146.803,69.917
NetQ31_1: Q31.1 R74.2 R75.2 R188.2 | length 0.6
  Top Layer w1: Q31.1@176.641,67.5 Q31.1@177.091,67.05
  other v3: 172.441,68.663 173.598,68.663 172.441,69.917 173.598,69.917
NetQ32_1: Q32.1 R64.2 R65.2 R183.2 | length 0.5
  Top Layer w1: Q32.1@109.641,67.437 Q32.1@110.028,67.05
  other v3: 105.59,68.663 106.748,68.663 105.59,69.917 106.748,69.917
NetQ33_1: Q33.1 R68.2 R69.2 R185.2 | length 0.3
  Top Layer w1: Q33.1@136.707,66.857 Q33.1@136.9,67.05
  other v3: 132.315,68.663 133.473,68.663 132.315,69.917 133.473,69.917
NetQ34_1: Q34.1 R72.2 R73.2 R187.2 | length 0.3
  Top Layer w1: Q34.1@163.501,66.857 Q34.1@163.694,67.05
  other v3: 158.99,68.663 160.148,68.663 158.99,69.917 160.148,69.917
NetQ35_1: Q35.1 R63.2 R76.2 R189.2 | length 0.3
  Top Layer w1: Q35.1@96.767,66.857 Q35.1@96.96,67.05
  other v3: 92.324,68.663 93.482,68.663 92.324,69.917 93.482,69.917
NetQ36_1: Q36.1 R78.2 R85.2 R192.1
  other v3: 118.668,37.112 119.826,37.112 118.668,38.367 119.826,38.367
NetQ37_1: Q37.1 R79.2 R86.2 R193.1 | length 0.1
  Top Layer w1: Q37.1@136.846,35.5 Q37.1@136.9,35.554
  other v3: 132.234,37.112 133.392,37.112 132.234,38.367 133.392,38.367
NetQ38_1: Q38.1 R82.2 R87.2 R194.1
  other v3: 159.081,37.112 160.239,37.112 159.081,38.367 160.239,38.367
NetQ39_1: Q39.1 R81.2 R91.2 R190.1
  other v3: 145.335,37.112 146.493,37.112 145.335,38.367 146.493,38.367
NetQ40_1: Q40.1 R83.2 R88.2 R195.1
  other v3: 172.364,37.112 173.522,37.112 172.364,38.367 173.522,38.367
NetQ41_1: Q41.1 R80.2 R90.2 R191.1
  other v3: 105.094,37.112 106.251,37.112 105.094,38.367 106.251,38.367
NetQ42_1: Q42.1 R77.2 R89.2 R196.1 | length 0.3
  Top Layer w1: Q42.1@96.764,35.75 Q42.1@96.96,35.554
  other v3: 91.944,37.112 93.101,37.112 91.944,38.367 93.101,38.367
NetQ43_1: 
NetR94_1: R94.1 U10.3 | length 4
  Bottom Layer w0.8: R94.1@106.25,225.5 106.295,225.455 109.955,225.455 U10.3@110,225.41 U10.3@109.811,225.41
NetR95_1: R95.1 U11.3 | length 4
  Bottom Layer w0.8: R95.1@106.95,140.75 106.75,140.55 R95.1@106.75,140.5 109.721,140.5 110.061,140.16 U11.3@110.25,140.16
NetR98_1: 
NetR100_2: 
NetR101_2: 
NetR102_2: 
NetR107_1: 
NetR108_2: 
NetR109_1: 
NetR114_1: R114.1 R115.2
NetR115_1: R115.1 R116.2
NetR116_1: R116.1 R117.2
NetR118_1: R118.1 R119.2
NetR119_1: R119.1 R120.2
NetR120_1: R120.1 R121.2
NetR122_1: R122.1 R123.2
NetR123_1: R123.1 R124.2
NetR124_1: R124.1 R125.2
NetR131_2: 
NetR144_2: R144.2 U1.2 U3.7 | length 3.4
  Top Layer w0.8: v4(73.514,231.33) 73.514,233.661 v4(74.238,234.384)
NetR145_2: R145.2 U2.2 U4.7 | length 5
  Top Layer w0.6: v4(73.5,145.5) 73.5,148.167 v5(74.156,148.823)
  Bottom Layer w0.6: v5(74.156,148.823) 74.235,148.744 U2.2@75.525,148.744
NetR149_2: R149.2 U3.5 U5.2 | length 38.1
  mid1 w0.8: v5(69.677,225.844) 69.677,195.349 v5(73.374,191.653)
  Bottom Layer w0.6: v5(73.374,191.653) 73.41,191.653 73.978,192.221 U5.2@75.525,192.221
NetR150_2: R150.2 U4.5 U6.2 | length 48.3
  mid1 w0.6: v4(70.56,142) 69.25,140.69 69.25,110.25 74,105.5 v4(74,102)
  Bottom Layer w0.6: U4.5@71.095,140.429 U4.5@71.095,141.015 ; v4(74,102) 74,105.5 74.5,106 74.513,105.987 U6.2@75.525,105.987
NetR152_2: R152.2 U7.2 U8.7 | length 8.8
  Top Layer w0.6: v4(73.75,59.5) 73.75,61.574 v4(74.089,61.913)
  Bottom Layer w0.6: U8.7@73.635,54.765 73.635,57.745 R152.2@73.732,57.842 73.732,59.018 73.75,59.037 v4(73.75,59.5) ; v4(74.089,61.913) 74.136,61.866 U7.2@75.525,61.866
NetR154_2: R154.2 U8.5 U9.2 | length 31
  mid1 w0.6: v4(70.256,56.207) 69.279,55.23 69.279,32.971 71.958,30.292 v4(74.162,30.292)
  Bottom Layer w0.6: v4(74.162,30.292) U9.2@75.525,30.292
pin1: 
PWR: 
RX_GPIO_28: 
Source_3: C118.1 C119.1 C120.1 C121.1 C122.1 C123.1 C124.1 Q29.2 Q30.2 Q31.2 Q32.2 Q33.2 Q34.2 Q35.2 Q36.3 Q37.3 Q38.3 Q39.3 Q40.3 Q41.3 Q42.3 R135.2 T7.1 T8.1 T9.1 | length 0.1
  Bottom Layer w1: C124.1@102.012,70.078 C124.1@102.012,70.1 ; C118.1@115.336,70.089 C118.1@115.336,70.1 ; C119.1@128.572,70.209 C119.1@128.572,70.215 ; C120.1@142.042,70.056 C120.1@142.042,70.06 ; C121.1@155.407,70.058 C121.1@155.407,70.1 ; C122.1@168.775,70.075 C122.1@168.775,70.091 ; C123.1@182.253,70.033 C123.1@182.253,70.075
  other v1: 95.575,43.104 97.925,43.104 101.275,43.104 103.6,43.104 108.643,43.104 110.993,43.104 114.343,43.104 116.668,43.104 122.119,43.104 124.469,43.104 127.819,43.104 130.144,43.104 135.515,43.104 137.865,43.104 141.215,43.104 143.54,43.104 148.912,43.104 151.262,43.104 154.612,43.104 156.937,43.104 162.309,43.104 164.659,43.104 168.009,43.104 170.334,43.104 175.706,43.104 178.056,43.104 181.406,43.104 183.731,43.104 95.575,44.979 97.925,44.979 101.275,44.979 103.6,44.979 108.643,44.979 110.993,44.979 114.343,44.979 116.668,44.979 122.119,44.979 124.469,44.979 127.819,44.979 130.144,44.979 135.515,44.979 137.865,44.979 141.215,44.979 143.54,44.979 148.912,44.979 151.262,44.979 154.612,44.979 156.937,44.979 162.309,44.979 164.659,44.979 168.009,44.979 170.334,44.979 175.706,44.979 178.056,44.979 181.406,44.979 183.731,44.979 95.575,46.804 97.925,46.804 101.275,46.804 103.6,46.804 108.643,46.804 110.993,46.804 114.343,46.804 116.668,46.804 122.119,46.804 124.469,46.804 127.819,46.804 130.144,46.804 135.515,46.804 137.865,46.804 141.215,46.804 143.54,46.804 148.912,46.804 151.262,46.804 154.612,46.804 156.937,46.804 162.309,46.804 164.659,46.804 168.009,46.804 170.334,46.804 175.706,46.804 178.056,46.804 181.406,46.804 183.731,46.804 95.575,48.804 97.925,48.804 101.275,48.804 103.6,48.804 108.643,48.804 110.993,48.804 114.343,48.804 116.668,48.804 122.119,48.804 124.469,48.804 127.819,48.804 130.144,48.804 135.515,48.804 137.865,48.804 141.215,48.804 143.54,48.804 148.912,48.804 151.262,48.804 154.612,48.804 156.937,48.804 162.309,48.804 164.659,48.804 168.009,48.804 170.334,48.804 175.706,48.804 178.056,48.804 181.406,48.804 183.731,48.804
  other v4: 101.101,64.553 102.082,64.553 103.064,64.553 114.677,64.553 115.659,64.553 116.641,64.553 128.176,64.553 129.158,64.553 130.139,64.553 141.609,64.553 142.591,64.553 143.573,64.553 154.812,64.553 155.793,64.553 156.775,64.553 168.215,64.553 169.197,64.553 170.179,64.553 181.667,64.553 182.649,64.553 183.631,64.553
TX_GPIO_29: 
VREFHI-ext: 
VREFLO-ext: 
pads on no net: J2.15 J2.16 U1.3 U1.9 U2.3 U2.9 U5.3 U5.9 U6.3 U6.9 U7.3 U7.9 U9.3 U9.9

## Polygon pours and split planes (outlines as drawn)
GND on Top Layer "GND_L01_P415" (solid, pour order 415): 21 vertices, not listed, extent 207,189.75 225.75,247
A1 on Top Layer "A1_L01_P432" (solid, remove dead copper, pour order 432): 94,203.531 94,213.25 107.5,213.25 113.903,223 175.797,223 185,213.25 185,203.332
A on Top Layer "A_L01_P425" (solid, remove dead copper, pour order 425): 100.774,238.079 100.774,242.018 100.791,242.044 103.75,242.044 103.75,236.25 184.063,236.25 175.75,223.934 113.868,223.934 100.774,233.706
NetQ9_1 on Top Layer "NETQ9_1_L01_P671" (solid, remove dead copper, pour order 671): 124.628,200.904 124.628,194.904 118.25,194.904 118.25,200.904
GND on Top Layer "GND_L01_P657" (solid, pour order 657): 69.5,48.5 71.18,48.5 72.5,48.5 72.5,44.605 72.511,44.594 69.5,44.594
GND on Top Layer "GND_L01_P656" (solid, pour order 656): 78.75,31.75 78.689,33.689 79,34 82.25,34 82.25,31.75
NetC161_2 on Top Layer "NETC161_2_L01_P655" (solid, pour order 655): 73,40.543 74.75,40.543 74.75,33.75 73,33.75
GND on Top Layer "GND_L01_P654" (solid, pour order 654): 70,39.621 71.448,39.621 72.368,39.621 72.368,35.939 72.356,35.951 70,35.951
NetC23_2 on Top Layer "NETC23_2_L01_P651" (solid, pour order 651): 78.633,63.167 78.696,63.103 82.407,63.103 82.407,64.88 82.455,64.927 82.132,65.25 78.482,65.25
NetC23_1 on Top Layer "NETC23_1_L01_P650" (solid, pour order 650): 78.511,62 82.29,62 82.5,61.79 82.5,59.5 78.898,59.5 78.488,59.91
GND on Top Layer "GND_L01_P648" (solid, pour order 648): 78.703,110.25 78.703,109.367 78.703,108.175 82.354,108.175 82.384,108.205 82.374,110.25
GND on Top Layer "GND_L01_P646" (solid, pour order 646): 78.5,196.5 82.5,196.5 82.5,193 78.5,193
GND on Top Layer "GND_L01_P643" (solid, pour order 643): 70.1,136.641 72.625,136.641 72.625,132.75 70.1,132.75
NetC9_2 on Top Layer "NETC9_2_L01_P638" (solid, pour order 638): 78.742,152.5 82.332,152.5 82.332,150.082 78.747,150.082
NetC9_1 on Top Layer "NETC9_1_L01_P637" (solid, pour order 637): 78.746,148.895 82.379,148.895 82.379,146.25 78.751,146.25
GND on Top Layer "GND_L01_P631" (solid, pour order 631): 72.75,218.25 72.75,223.75 68.5,223.75 68.5,218.25
NetC8_1 on Top Layer "NETC8_1_L01_P622" (solid, pour order 622): 82.288,231.423 82.288,234.509 82.267,234.53 78.767,234.53 78.767,231.28 82.267,231.28
NetC8_2 on Top Layer "NETC8_2_L01_P618" (solid, pour order 618): 82.271,235.644 82.271,238.729 82.25,238.75 78.75,238.75 78.75,235.5 82.25,235.5
GND on Top Layer "GND_L01_P455" (solid, pour order 455): 17 vertices, not listed, extent 62.5,16.937 222.75,103
GND on Top Layer "GND_L01_P453" (solid, pour order 453): 41 vertices, not listed, extent 84,183.5 225.5,200.657
+48V on Top Layer "+48V_L01_P456" (solid, pour order 456): 83.25,254.5 83.25,265 222.831,265 222.703,250 185.75,250 185.75,246 93.75,246 93.75,254.5
15V on Top Layer "15V_L01_P604" (solid, pour order 604): 20 vertices, not listed, extent 62.25,126.5 82.25,224.25
15V on Top Layer "15V_L01_P609" (solid, pour order 609): 18 vertices, not listed, extent 62.75,48.5 82.5,132.17
15V on Top Layer "15V_L01_P614" (solid, pour order 614): 78.25,34.499 78.25,30.75 82.5,30.75 82.5,27.25 76.491,27.25 76.491,42.75 73.5,42.75 73.5,44.25 73.5,50 78.25,50
Source_3 on Top Layer "SOURCE_3_L01_P459" (solid, pour order 459): 94,43 94,53 100.25,59.25 100.25,63.75 185.5,63.75 185.5,42.25 94,42.25 94,42.5
GND on Top Layer "GND_L01_P478" (solid, remove dead copper, pour order 478): 21 vertices, not listed, extent 196.125,97 225.5,184.344
GND on Top Layer "GND_L01_P454" (solid, pour order 454): 100.75,97 84.386,97 84.386,111 89,111 89,107.5 92.25,107.5 100.75,107.5 180.879,107.5 180.868,109 180.841,112.5 199,112.5 199,97
EQEP1B on Top Layer "EQEP1B_L01_P434" (solid, remove dead copper, pour order 434): 100.653,154.961 100.653,159.5 103.5,159.5 103.5,150.338 185.001,150.338 185.001,147.75 177.25,138.75 113.233,138.75 100.653,150.048
B1 on Top Layer "B1_L01_P433" (solid, remove dead copper, pour order 433): 94,118.025 94,127.5 105,127.5 113.158,137.75 177.35,137.75 185.25,127.75 185.25,117.265
NetQ14_1 on Top Layer "NETQ14_1_L01_P504" (solid, remove dead copper, pour order 504): 98.25,201 98.25,195 91.5,195 91.5,201
NetQ13_1 on Top Layer "NETQ13_1_L01_P506" (solid, remove dead copper, pour order 506): 111.25,201 111.25,195 105,195 105,201
NetQ10_1 on Top Layer "NETQ10_1_L01_P509" (solid, remove dead copper, pour order 509): 138.214,200.75 138.214,194.888 131.75,194.888 131.75,200.75
NetQ12_1 on Top Layer "NETQ12_1_L01_P511" (solid, remove dead copper, pour order 511): 151.5,201.047 151.5,195.047 145.074,195.047 145.074,201.047
NetQ11_1 on Top Layer "NETQ11_1_L01_P514" (solid, remove dead copper, pour order 514): 164.963,201.132 164.963,195.132 158.524,195.132 158.524,201.132
NetQ8_1 on Top Layer "NETQ8_1_L01_P516" (solid, remove dead copper, pour order 516): 178.359,201.167 178.359,195.167 171.885,195.167 171.885,201.167
NetQ40_1 on Top Layer "NETQ40_1_L01_P598" (solid, remove dead copper, pour order 598): 171.668,33.491 171.668,39.252 171.659,39.262 178.37,39.262 178.37,33.509
NetQ38_1 on Top Layer "NETQ38_1_L01_P596" (solid, remove dead copper, pour order 596): 158.121,33.563 158.121,39.218 158.111,39.228 164.889,39.228 164.889,33.581
NetQ39_1 on Top Layer "NETQ39_1_L01_P594" (solid, remove dead copper, pour order 594): 144.616,33.54 144.616,39.265 144.607,39.274 151.5,39.274 151.5,33.559
NetQ37_1 on Top Layer "NETQ37_1_L01_P592" (solid, remove dead copper, pour order 592): 131.343,33.567 131.343,39.301 131.334,39.311 138.124,39.311 138.124,33.586
NetQ36_1 on Top Layer "NETQ36_1_L01_P590" (solid, remove dead copper, pour order 590): 117.904,33.587 117.904,39.25 117.895,39.259 124.75,39.259 124.75,33.605
NetQ41_1 on Top Layer "NETQ41_1_L01_P588" (solid, remove dead copper, pour order 588): 104.353,33.491 104.353,39.238 104.343,39.247 111.25,39.247 111.25,33.51
NetQ42_1 on Top Layer "NETQ42_1_L01_P586" (solid, remove dead copper, pour order 586): 91.259,33.49 91.259,39.241 91.25,39.25 98.25,39.25 98.25,33.51
NetQ31_1 on Top Layer "NETQ31_1_L01_P582" (solid, remove dead copper, pour order 582): 171.638,64.974 171.638,65.616 171.638,70.869 178.25,70.869 178.25,65.025
NetQ34_1 on Top Layer "NETQ34_1_L01_P580" (solid, remove dead copper, pour order 580): 158.185,64.975 158.185,65.588 158.185,70.84 164.925,70.84 164.925,65.026